# Altium PCB Pleiades_PP.PcbDoc (part 11 of 15)
Units mil, origin at the board's own origin, x right, y up, seen from the top; angles counter-clockwise.
Board outline 12244.09 x 4515.28 mil, 12 copper layers (TOP, GND1, IN1, GND2, POW1, GND3, POW2, GND4, GND5, IN2, GND6, BOT), stack 63.546 mil thick; 1447 components, 738 nets, 4532 pads, 3316 vias.
Unrouted connection lines stored in the file: 499.
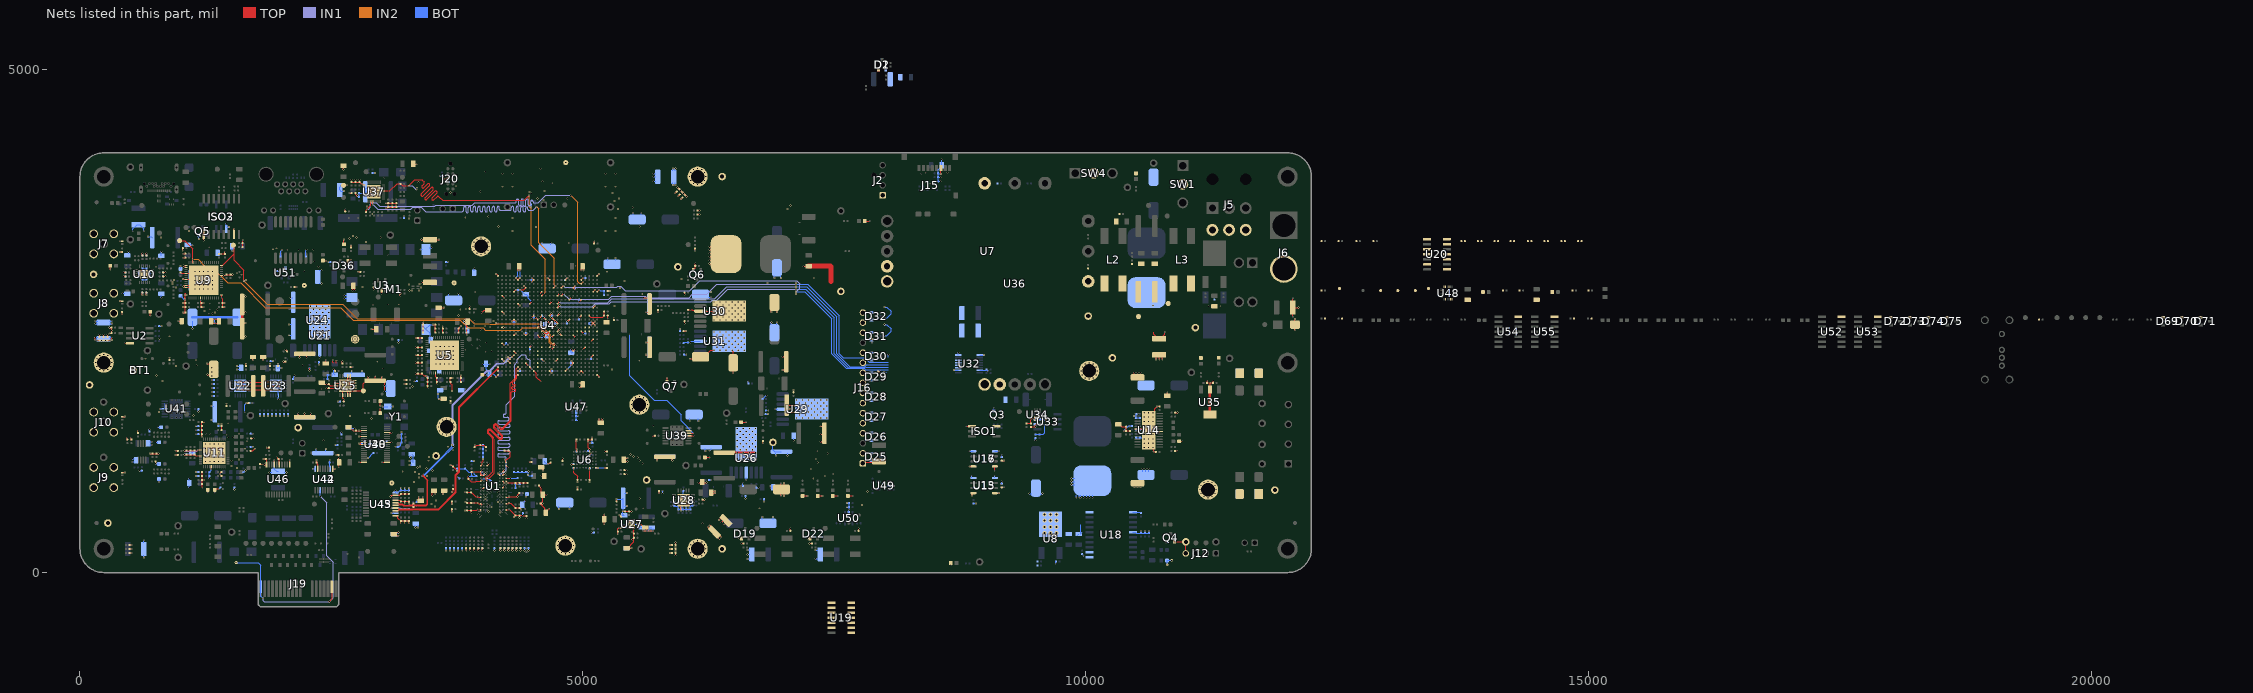
[diagram p21: the nets of this part, all layers, seen from the top]

## Via types
v1: diameter 12/18/18/18/18/18/18/18/18/18/18/12 (per signal layer), hole 6, TOP to BOT, 2739 vias
v2: diameter 20, hole 10, TOP to BOT, 363 vias
v3: diameter 19.68, hole 7.87, TOP to BOT, 110 vias
v4: diameter 40, hole 20, TOP to BOT, 36 vias
v5: diameter 25, hole 12, TOP to BOT, 32 vias
v6: diameter 22, hole 12, TOP to BOT, 27 vias
v7: diameter 19.68, hole 11.81, TOP to BOT, 9 vias

## Nets (pads, with @x,y where several pads share a name; then routed paths per layer and width w, separated by ;. In a path a pad name is that pad's centre, name@x,y a point inside that pad or via, vN(x,y) a via of type N, cw(c..) or ccw(c..) an arc to the next point about the centre after c; other vN are vias at no path point) (continued)
GND: (continued)
  BOT w10: v1(152.5,2475) C1.2@175,2475 ; v1(152.5,2500) C1.2@175,2500 ; C1.2@295,2475 v1(317.5,2475) ; C1.2@295,2500 v1(317.5,2500) ; v1(421.5,2776.57) C256.2@444,2776.57 ; v1(430,2945) C241.2@452.5,2945 ; v1(430,2985) C242.2@452.5,2985 ; C240.2@483,3167.5 v1(483,3190) ; v1(519.46,1100) C335.2@541.96,1100 ; v1(519.46,1132) C335.2@541.96,1132 ; v1(525,3394) 525,3416.28 567.72,3459 C501.2@580,3459 592.28,3459 635,3416.28 v1(635,3393.06) ; C245.2@582.5,2945 C246.2@582.5,2985 ; v1(592.5,1012.5) R120.2@615,1012.5 ; v1(620,2760) C258.2@620,2782.5 ; C262.2@620,2912.5 C261.2@660,2912.5 ; C253.2@620,3022.5 C252.2@660,3022.5 ; C248.2@620,3152.5 v1(620,3175) ; v1(636,149.29) C4.2@636,171.79 ; C4.2@636,298.2 v1(636,320.7) ; v1(660,2760) C257.2@660,2782.5 ; C249.2@660,3152.5 v1(660,3175) ; v1(675.81,3340) 708,3340 C282.2@718,3330 ; R127.2@690,1402.5 v1(690,1425) ; C304.2@692.21,1270 v1(714.71,1270) ; C304.2@692.21,1300 v1(714.71,1300) ; C268.2@697.5,2945 C269.2@697.5,2985 ; v1(752.5,1082.5) 752.88,1082.12 784.34,1082.12 R118.2@786.46,1080 ; v1(752.5,1295) R125.2@775,1295 ; v1(772.5,1445) R126.2@795,1445 ; v1(787,897.5) R119.2@787,920 ; C100.1@787.5,2450 v1(810,2450) ; v1(792.5,1627) U41.11@815,1627 ; v1(810,2732.5) C263.2@810,2755 ; C247.2@810,3148 v1(810,3190) ; C264.2@827.5,2945 v1(850,2945) ; C265.2@827.5,2985 v1(850,2985) ; U41.11@842.63,1627 842.63,1678.18 ; R94.2@1000,2751.46 1036.88,2714.58 1043.59,2714.58 v1(1043.98,2714.19) ; v1(1037.5,1172.5) 1038.04,1172.5 1047.04,1181.5 1103.5,1181.5 C308.2@1115,1193 ; v1(1037.5,1212.5) 1038.04,1212.5 1046.04,1204.5 1103.5,1204.5 C308.2@1115,1193 ; C284.2@1070,3258 1113.96,3258 1116.96,3255 v1(1117.5,3255) ; v1(1087,842.5) C323.2@1087,865 ; C323.2@1087,914.4 v1(1087,936.9) ; v1(1120,2427.5) C407.2@1120,2500 ; v3(1143.39,2818.39) 1120.02,2818.39 1103,2835.41 C270.2@1103,2878.72 ; v3(1143.39,2861.69) 1120.02,2861.69 C270.2@1103,2878.72 ; v3(1143.39,2905) C270.2@1103,2905 ; v3(1143.39,2948.31) 1120.02,2948.31 C270.2@1103,2931.28 ; v3(1143.39,2991.61) 1120.02,2991.61 1103,2974.59 C270.2@1103,2931.28 ; v1(1155,960) C329.2@1177.5,960 ; v1(1155,1000) C334.2@1177.5,1000 ; v1(1155,1375) C331.2@1177.5,1375 ; v1(1155,1415) C326.2@1177.5,1415 ; v1(1155,1455) C324.2@1177.5,1455 ; v1(1175.69,1219.53) 1175.15,1219.53 1162,1206.38 1128.38,1206.38 C308.2@1115,1193 ; v1(1177.5,1602.5) C531.2@1177.5,1625 ; v1(1182.13,3316.46) 1182.36,3316.69 1182.36,3355.39 Q5.2@1182.6,3355.63 ; v1(1287.5,937.5) C328.2@1287.5,960 C333.2@1287.5,1000 1305.47,1017.97 v1(1305.47,1030.69) ; v1(1307.5,1517.5) C392.2@1330,1517.5 ; v1(1307.5,1655) C392.2@1330,1655 ; v1(1310,1755.59) R211.2@1332.5,1755.59 ; v1(1310,1795) R209.2@1332.5,1795 ; v1(1310,1835) R205.2@1332.5,1835 ; v1(1310,1875) R203.2@1332.5,1875 ; v1(1310,1915) R201.2@1332.5,1915 ; v1(1310,1955) R199.2@1332.5,1955 ; v1(1310,1995.59) R194.2@1332.5,1995.59 ; v1(1310,2035.59) R192.2@1332.5,2035.59 ; 1340.99,2538.12 1339.88,2537.01 1339.88,2520.38 v1(1339.5,2520) 1339.5,2486.54 1345.5,2480.54 v1(1345.5,2480) ; C271.2@1368,3180 1380.5,3167.5 v1(1402.5,3167.5) ; C303.2@1377.5,1455 v1(1377.5,1477.5) ; v1(1379.09,831.59) C297.2@1395,847.5 ; ISO3.3@1455,3445 v1(1455,3467.5) ; ISO3.3@1460,3435 v1(1482.5,3435) ; U22.7@1500.51,1829.41 1541.85,1829.41 v6(1555.63,1815.63) ; v1(1515,3197.5) C495.2@1515,3220 ; v1(1535,825) C301.2@1535,847.5 ; v1(1562.5,2020.04) C399.2@1585,2020.04 ; v1(1562.5,2052.5) C399.2@1585,2052.5 ; C298.2@1625,997.5 1642.12,1014.62 1645.8,1014.62 v1(1646.18,1015) ; v1(1638.54,1594.38) 1638.54,1668.51 v1(1655,1684.96) 1655.08,1685.05 1687.6,1685.05 C393.2@1687.68,1685.13 ; C294.2@1697.5,1250 v1(1720,1250) ; C296.2@1697.5,1380 v1(1720,1380) ; v1(1790,1555) R193.2@1790,1577.5 ; v1(1830,1555) R195.2@1830,1577.5 ; v1(1870,1555) R200.2@1870,1577.5 ; v1(1882.5,995) C543.2@1905,995 ; C411.2@1895.99,2102.41 v1(1918.49,2102.41) ; v1(1910,1555) R202.2@1910,1577.5 ; v1(1931.61,1117.5) 1931.61,1028.36 1953.97,1006 C543.2@1970,1006 ; v1(1950,1555) R204.2@1950,1577.5 ; C618.2@1960,2997.5 v1(1982.5,2997.5) ; C402.2@1966.49,2032.41 1970,2035.92 v1(1970,2075) ; v1(1973.57,1722.5) U23.7@1973.57,1745 ; U23.7@1973.57,1761.74 1973.57,1803.08 v6(1987.35,1816.86) ; C402.2@1980,2035 v1(2002.5,2035) ; v1(1990,1555) R206.2@1990,1577.5 ; C505.2@1995,3143.46 1995,3193.96 2009.5,3208.46 v1(2009.5,3209) ; v1(2017.5,3025) U51.3@2040,3025 ; C543.2@2030,995 v1(2052.5,995) ; v1(2030,1555) R210.2@2030,1577.5 ; v1(2070,1555) R212.2@2070,1577.5 ; v1(2078.49,2360) C410.2@2100.99,2360 ; v1(2078.49,2467.41) C410.2@2100.99,2467.41 ; v1(2078.49,2622.53) C409.2@2100.99,2622.53 ; v1(2092.5,2732.88) C409.2@2115,2732.88 ; C397.2@2118.49,1924.91 2123.49,1929.91 2123.49,1947.07 2134.94,1958.52 v1(2134.94,1959.06) ; v1(2170,1582.5) 2170,1562.44 2187.02,1545.41 C396.2@2233.49,1545.41 ; v1(2233.49,1582.5) C396.2@2233.49,1545.41 ; C506.2@2245,3143.46 2245,3200.96 2252.5,3208.46 v1(2252.5,3209) ; v1(2283.49,2007.41) C398.2@2283.49,2029.91 ; v1(2293.49,1582.5) 2293.49,1562.44 2276.47,1545.41 C396.2@2233.49,1545.41 ; v1(2315,1031.3) U44.9@2337.5,1031.3 ; C425.2@2350,1205 v1(2350,1227.5) ; v1(2375.99,2068.91) R196.2@2375.99,2091.41 ; C502.2@2380,2875 v1(2402.5,2875) ; C502.2@2380,3005 v1(2402.5,3005) ; v1(2383.49,2137.5) U21.4@2383.49,2160 ; C425.2@2445,1205 v1(2445,1227.5) ; R197.2@2460.99,1922.41 2462.24,1923.66 2462.24,1963.66 R198.2@2463.49,1964.91 2463.6,1964.81 2492.4,1964.81 v1(2492.5,1964.7) C406.2@2515,1964.7 ; v1(2467.5,3087.5) C503.2@2490,3087.5 ; v1(2482.5,1117.5) C542.2@2482.5,1095 2484.62,1092.88 2484.62,1072.88 2485,1072.5 U44.15@2485,1050 ; v1(2521.59,2020.91) 2521.59,1978.31 C406.2@2533.49,1966.41 ; v1(2537.5,1267.5) R314.2@2560,1267.5 ; v1(2565,1700) R220.2@2587.5,1700 ; R313.2@2600,1372.5 v1(2600,1395) ; v1(2623.72,3792.72) 2593.28,3792.72 C504.2@2581,3805 2581,3831.16 2599.84,3850 v1(2655,3850) ; v1(2627.5,2725) M1.7@2650,2725 ; v1(2627.5,2755) M1.7@2650,2755 ; C405.2@2702.76,1982.41 v1(2702.76,2004.91) ; v1(2722.5,1412.5) 2722.12,1412.88 2711.7,1412.88 C530.2@2689.58,1435 ; v1(2730,1435) C530.2@2689.58,1435 ; v1(2759.09,3748.41) C519.2@2775,3732.5 C520.2@2775,3772.5 ; v1(2773.5,1283) 2811.62,1283 C529.2@2822.28,1293.67 ; C520.2@2780,3772.5 2825.5,3772.5 C515.2@2838,3785 ; C405.2@2805,1982.41 v1(2805,2004.91) ; v1(2864.28,1138.28) 2864.67,1138.66 2866.16,1138.66 C527.2@2917.5,1190 ; U38.2@2900.42,1273.98 2900.42,1270.42 2900.46,1270.38 2917.12,1270.38 v1(2917.5,1270) ; R307.2@2910,3972.5 v1(2932.5,3972.5) ; U37.42@2963.58,3742.72 U37.41@2921.46,3742.72 U37.40@2879.33,3742.72 2855.02,3742.72 2838,3759.74 C515.2@2838,3785 ; U37.39@2963.58,3784.84 U37.38@2921.46,3784.84 U37.37@2879.33,3784.84 2838.16,3784.84 C515.2@2838,3785 ; U37.36@2963.58,3826.97 2855.02,3826.97 2838,3809.94 C515.2@2838,3785 ; v1(3011.04,1650) Y1.3@3060,1650 ; v1(3027.5,1802.52) C414.2@3050,1802.52 ; v1(3028.13,1857.77) C414.2@3050.63,1857.77 ; C532.2@3050,1302.5 3057.5,1295 v1@3096.96,1295 ; Y1.3@3089.68,1650.92 v1(3112.18,1650.92) ; v1(3097.5,590.43) U45.19@3120,590.43 ; v1(3097.5,641.55) U45.17@3120,641.55 ; v1(3137.5,1250) C153.2@3160,1250 3161.64,1251.64 3176.64,1251.64 3190,1265 3190,1287.5 C155.2@3197.5,1295 C156.2@3197.5,1335 C157.2@3197.5,1375 v1(3197.5,1397.5) ; U45.17@3137.64,641.61 3180.89,641.61 C587.2@3190,632.5 C589.2@3230,632.5 C591.2@3270,632.5 ; v1(3137.64,817.66) U45.11@3137.64,795.16 3159.64,795.16 3181.98,817.5 C588.2@3190,817.5 ; v1(3167.5,365) 3167.12,365.38 3136.62,365.38 C601.2@3120,382 3135.81,397.81 3167.12,397.81 v1(3167.5,398.2) ; v1(3167.5,2287.5) C500.2@3167.5,2310 ; v1(3190,490) C598.2@3190,512.5 C599.2@3230,512.5 ; v1(3190,840) C588.2@3190,817.5 ; C510.2@3222.5,3525 v1(3222.5,3547.5) ; v1(3230,490) C599.2@3230,512.5 ; v1(3230,840) C590.2@3230,817.5 ; v1(3270,490) C600.2@3270,512.5 C599.2@3230,512.5 ; v1(3270,840) C592.2@3270,817.5 C590.2@3230,817.5 ; v1(3275,1110) 3297.5,1110 C152.2@3300,1107.5 ; v1(3277.5,1070) C152.2@3300,1070 ; v1(3285.98,1142.5) C154.2@3285.98,1165 ; C154.2@3300,1177 3311.5,1165.5 3311.5,1091.5 C152.2@3313,1090 ; v1(3327.5,1902.5) C178.2@3350,1902.5 ; v1(3335.5,448.5) C593.2@3335.5,471 ; R339.1@3347.5,700 v1(3347.5,722.5) ; v1(3361.01,448.5) C593.2@3361.01,471 ; v1(3382.5,3212.64) M1.14@3405,3212.64 ; v1(3412.5,2487.5) 3412.5,2444.82 M1.1@3439.96,2417.36 ; v1(3444.09,1953.41) C181.2@3460,1937.5 ; M1.14@3475,3230.99 v1(3497.5,3230.99) ; C179.2@3480,2203 3480.31,2203.31 v3(3538.39,2203.31) ; v1(3510,2465) 3480.24,2465 3439.96,2424.72 M1.1@3439.96,2417.36 ; C158.2@3559.69,1797.89 v1(3559.69,1775.39) 3559.69,1735.18 3569.3,1725.57 v1(3569.3,1725.02) ; C180.2@3573,2038.77 C180.2@3573,2010 3561.39,2021.61 3561.39,2050.38 v3(3538.39,2073.39) ; v1(3577.5,3942.5) C619.1@3600,3942.5 3621.96,3942.5 3624.46,3940 v1(3625,3940) ; v1(3640,220) C76.2@3640,242.5 ; C490.2@3640,3087.5 v1(3662.5,3087.5) ; C125.2@3665.63,2750 v1(3665.63,2772.5) ; v1(3680,220) C77.2@3680,242.5 ; v1(3720,220) C78.2@3720,242.5 ; v1(3750,1010) C38.2@3750,1032.5 C53.2@3830,1032.5 ; v1(3756.59,952.92) C52.2@3772.5,937.01 ; v1(3760,220) C70.2@3760,242.5 ; C125.2@3765,2750 v1(3765,2772.5) ; v1(3800,220) C92.2@3800,242.5 ; C160.2@3813.62,1826.99 v1(3836.12,1826.99) ; v1(3822.5,2505) v1(3822.5,2484.5) 3841.5,2465.5 3841.5,2421.5 C159.2@3853,2410 3845,2402 v1(3845,2362.5) ; v1(3840,220) C73.2@3840,242.5 ; v1(3880,220) C81.2@3880,242.5 ; C51.2@3895,957.5 C54.2@3895,997.5 ; C37.2@3895,1107.5 v1(3917.5,1107.5) ; v1(3920,220) C85.2@3920,242.5 ; C487.2@3920,3000 v1(3920,3022.5) ; v1(3960,220) C71.2@3960,242.5 ; v1(3999.51,2070) C116.2@4022.01,2070 ; v1(4000,220) C98.2@4000,242.5 ; v1(4007.5,1127.5) C41.2@4007.5,1150 C40.2@4007.5,1190 C7.2@4007.5,1230 C6.2@4007.5,1270 ; v1(4033.17,1966.46) 4063.46,1966.46 C144.2@4072,1975 4072,1985 4037,2020 C116.2@4037,2075 ; C57.2@4042.37,847.63 4049.45,847.63 4059.7,857.89 4062.61,857.89 v1(4062.99,858.27) ; C116.2@4054.7,2070 v1(4077.2,2070) ; v1(4120,220) C96.2@4120,242.5 ; v1(4180,220) C91.2@4180,242.5 ; v1(4220,220) C79.2@4220,242.5 ; C128.2@4237.2,2280 C128.2@4237.5,2280 4254.62,2262.88 4254.62,2260.38 v1(4255,2260) ; v1(4260,220) C69.2@4260,242.5 ; v1(4300,220) C75.2@4300,242.5 ; C14.2@4315,997.5 C13.2@4355,997.5 C63.2@4395,997.5 C62.2@4435,997.5 4440,1002.5 4457.13,1002.5 v1@4457.88,1003.25 ; C43.2@4332.5,840 C42.2@4332.5,880 C35.2@4372.5,880 ; v1(4334.65,2929.13) 4354.33,2948.82 v1(4354.33,3000) ; v1(4340,220) C95.2@4340,242.5 ; v1(4374.02,2929.13) 4374.02,2929.68 4378.24,2933.9 v1(4378.24,3000) ; v1(4380,220) C68.2@4380,242.5 ; v1(4402.5,567.5) C33.2@4402.5,590 ; C32.2@4410.14,650 v1(4426.05,634.09) ; C32.2@4410.97,697.5 v1(4426.88,713.41) ; v1(4420,220) C80.2@4420,242.5 ; v1(4433.65,754.57) 4434.04,754.95 4434.04,770.49 R13.1@4443.54,780 ; v1@4457.88,1004.68 v1@4457.88,1003.25 ; v1(4458.89,1003.72) 4458.35,1003.72 v1@4457.88,1003.25 ; v1(4460,220) C82.2@4460,242.5 ; v1(4485,3635) R53.2@4485,3657.5 ; C61.2@4495,962.5 4462.28,962.5 v1(4453.99,970.78) 4454.38,971.17 4454.38,978.59 4457.88,982.1 v1@4457.88,1003.25 ; C130.2@4592.5,3257.2 v1(4592.5,3279.7) ; C60.2@4623,1105 4623,1098.38 4639.96,1081.42 4654.43,1081.42 v1(4654.81,1081.03) ; C130.2@4680,3257.2 v1(4680,3279.7) ; v1(4761.33,632.9) C143.2@4761.33,655.4 ; v1(4867.44,631.04) C143.2@4867.44,653.54 ; C612.2@4932.5,1555 C612.2@4933.75,1555 ; U47.2@4935,1598.82 4933.75,1597.57 C612.2@4933.75,1555 ; v1(4955,1514.16) C611.2@4932.5,1514.16 4933.75,1515.41 C612.2@4933.75,1555 ; v1(4955,1555) C612.2@4933.75,1555 ; v1(5087.5,397.5) R332.1@5110,397.5 ; v1(5091.75,1344.74) 5091.75,1303.35 v1(5075.49,1287.09) C215.2@5097.99,1287.09 ; C210.2@5129.49,1039.74 v1(5151.76,1039.74) ; v1@5151.99,1043.5 5212.45,1043.5 5216.21,1039.74 v1(5216.75,1039.74) ; R60.2@5247.5,2800 v1(5270,2800) ; C138.2@5247.5,3105 v1(5247.5,3127.5) ; C464.2@5307.5,2510 v1(5307.5,2532.5) ; C138.2@5325,3105 v1(5325,3127.5) ; v1(5335.12,730.77) 5391.63,730.77 C453.2@5401,740.14 5401,612.54 5399.38,610.92 5399.38,610.54 v1@5399.92,610 ; v1(5364.21,571.68) C446.2@5407.21,571.68 ; v1(5399,610) 5399,579.89 C446.2@5407.21,571.68 ; C446.2@5410.12,568.77 C446.2@5407.21,571.68 ; C453.2@5415,660 v1(5437.5,660) ; C453.2@5415,790 v1(5437.5,790) ; C447.2@5435.12,242.77 v1(5482.62,242.77) ; C115.2@5500,3555 v1(5500,3577.5) ; v3(5507.76,480.77) 5542.12,480.77 5575.12,447.77 C443.2@5585.12,447.77 C443.2@5585.28,447.61 ; C115.2@5580,3555 v1(5580,3577.5) ; v1(5600,2732.72) 5651.41,2732.72 5660.98,2742.28 5678,2725.26 5678,2614.52 5650.98,2587.5 v1(5627.5,2587.5) ; v1(5627.5,2167.5) 5645.98,2167.5 5663,2184.52 C463.2@5663,2240 5663,2270.48 5645.98,2287.5 v1(5627.5,2287.5) ; C444.2@5661.77,436.22 v1(5661.77,413.72) ; C444.2@5685.12,447.45 5684.96,447.61 C443.2@5585.28,447.61 ; C444.2@5700.12,434.37 v1(5700.12,411.87) 5699.58,411.87 5697.72,413.72 v1(5661.77,413.72) ; v1(5702.5,3890) C2.2@5725,3890 ; v1(5702.5,3935) C2.2@5725,3935 ; v1(5702.5,3965) C2.2@5725,3965 ; v1(5737.95,1115) C451.2@5737.95,1137.5 ; v1(5757.5,787.64) 5757.5,810.14 ; v1(5792.5,787.64) 5792.5,810.14 ; v1(5890.69,1115) C451.2@5890.69,1137.5 ; C460.2@5967.5,2400 v1(5967.5,2422.5) ; R238.2@6000,812.64 6000.59,812.05 6000.59,760.61 v6(6001.18,760.02) ; R264.2@6002.5,2280 6003.04,2280 6010.54,2287.5 R259.2@6045,2287.5 v1(6067.5,2287.5) 6068.04,2287.5 6080.54,2300 U31.4@6167.4,2300 ; R265.2@6005,2167.5 v1(6027.5,2167.5) ; v1(6062,1505.44) C107.2@6062,1527.94 ; v1(6149.5,1505.44) C107.2@6149.5,1527.94 ; v1(6218.27,1207.5) C439.2@6218.27,1230 ; C461.2@6253.03,2737.5 v1(6275.53,2737.5) ; C461.2@6253.03,2790 v1(6275.53,2790) ; C440.2@6255,920.81 v1(6277.5,920.81) ; v1(6260,1210) 6274.94,1224.94 C439.2@6274.94,1230 ; C429.2@6590,860.81 v1(6590,892.5) ; v1(6617.5,737.5) R226.2@6617.5,760 ; v1(6625,920.14) U26.4@6625,942.64 ; v1(6637.5,135) C368.2@6660,135 ; v1(6637.5,180) C368.2@6660,180 ; v1(6637.5,225) C368.2@6660,225 ; C471.2@6645,1880 v1(6645,1902.5) ; R228.2@6725,843.31 v1(6747.5,843.31) ; C436.2@6785,530 v1(6785,552.5) ; C458.2@6787.5,1725 6819.62,1757.12 6824.41,1757.12 v1(6824.79,1757.5) ; v1(6802.5,707.31) R227.2@6802.5,729.81 ; R260.2@6817.5,1575 v1(6840,1575) ; R257.2@6820,1612.5 v1(6842.5,1612.5) ; v1(6862.5,843.31) C435.2@6885,843.31 ; v1(6862.5,860.81) C435.2@6885,860.81 ; C468.2@6875,2465 v1(6875,2487.5) ; TP91.1@6890,1295.14 6890,1219.83 6907.02,1202.81 C434.2@6975,1202.81 ; C436.2@6891,530 v1(6891,552.5) ; v1(6905,2929.44) C229.2@6905,2951.94 ; v1(6912.5,1625) U29.4@6935,1625 ; v1(6920,1162.5) C434.2@6920,1185 ; C468.2@6930,2465 v1(6930,2487.5) ; v1(6968.98,2929.44) C229.2@6968.98,2951.94 ; v1(7035,1162.5) C434.2@7035,1185 ; U29.4@7035.91,1625 v1(7058.41,1625) ; v1(7096,1312) C466.2@7096,1334.5 ; v1(7312.5,137.12) C374.2@7335,137.12 ; v1(7312.5,223.11) C374.2@7335,223.11 ; v1(7625.2,649.96) C617.2@7647.7,649.96 ; v1(7625.2,689.96) C616.2@7647.7,689.96 C617.2@7647.7,649.96 ; U50.2@7643.96,601.77 v1(7643.96,624.27) 7643.96,624.81 7647.7,628.55 C617.2@7647.7,649.96 ; v1(7858.98,2338.2) 7858.98,2321 7867.98,2312 D31.1@7871.54,2312 ; D25.1@7871.54,1112 v1(7871.54,1134.5) ; D26.1@7871.54,1312 v1(7871.54,1334.5) ; D27.1@7871.54,1512 v1(7871.54,1534.5) ; D28.1@7871.54,1712 v1(7871.54,1734.5) ; D29.1@7871.54,1912 v1(7871.54,1934.5) ; D30.1@7871.54,2112 v1(7871.54,2134.5) ; D32.1@7871.54,2512 v1(7871.54,2534.5) ; v1(7992.78,1992.5) 8015.28,1992.5 ; v1(7998.06,2355) 8021.28,2355 8064,2397.72 8064,2422.28 8021.28,2465 v1(7999,2465) ; v1(7998.06,2530) 8021.28,2530 8064,2572.72 8064,2597.28 8021.28,2640 v1(7999,2640) ; 8038.7,2142.5 v1(8038.7,2165) ; U49.2@8043.18,864.68 8044.27,863.59 C614.2@8089.27,863.59 ; v1(8555,3890) C371.2@8532.5,3890 C372.2@8532.5,3930.45 ; v1(8555,3930.45) C372.2@8532.5,3930.45 ; v1(8560.24,3963.48) 8559.7,3963.48 8557.5,3965.68 8536.82,3965.68 C373.2@8532.5,3970 ; v1(8568,4106.87) C370.2@8568,4050 8568,4040 8532.5,4004.5 C373.2@8532.5,3970 ; v1(8691.2,2012.5) U32.2@8733.7,2012.5 ; U32.8@8733.7,2162.5 v1(8733.7,2185) ; v1(8841.2,1205) U17.4@8883.7,1205 ; U13.4@8867.4,940.31 v1(8867.4,962.81) ; C613.2@8885,687.5 v1(8907.5,687.5) ; v1(9702.5,87.5) C232.2@9702.5,110 ; C363.2@9916.96,369.96 C363.2@9930,383 C363.2@9933.04,383 ; C363.2@9948.04,383 C363.2@9948.54,383.51 ; C363.2@9948.54,383 C363.2@9948.54,383.51 ; 9948.54,477.5 C363.2@9948.54,383.51 ; C367.2@9965,182.5 v1(9980.91,166.59) ; 9965,399.96 C363.2@9948.54,383.51 ; C270.2@1103,2878.72 C270.2@1103,2905 ; C270.2@1103,2905 C270.2@1103,2931.28 ; C530.2@2689.58,1435 2679.58,1435 C530.2@2669.49,1445.09 2679.49,1445.09 C530.2@2689.58,1435 ; C588.2@3190,817.5 C590.2@3230,817.5 ; M1.1@3439.96,2417.36 3480.24,2377.09 3480.24,2317.76 C162.2@3488,2310 3488,2300 3536.53,2251.47 3536.53,2248.47 v3(3538.39,2246.61) ; v3(3538.39,2073.39) v3(3581.69,2073.39) ; v3(3538.39,2073.39) v3(3538.39,2116.69) ; v3(3538.39,2116.69) v3(3581.69,2116.69) ; v3(3538.39,2116.69) v3(3538.39,2160) ; v3(3538.39,2160) v3(3581.69,2160) ; v3(3538.39,2160) v3(3538.39,2203.31) ; v3(3538.39,2203.31) v3(3581.69,2203.31) ; v3(3538.39,2203.31) v3(3538.39,2246.61) ; v3(3538.39,2246.61) v3(3581.69,2246.61) ; v3(3581.69,2073.39) v3(3581.69,2116.69) ; v3(3581.69,2073.39) v3(3625,2073.39) ; v3(3581.69,2116.69) v3(3581.69,2160) ; v3(3581.69,2116.69) v3(3625,2116.69) ; v3(3581.69,2160) v3(3581.69,2203.31) ; v3(3581.69,2160) v3(3625,2160) ; v3(3581.69,2203.31) v3(3581.69,2246.61) ; v3(3581.69,2203.31) v3(3625,2203.31) ; v3(3581.69,2246.61) v3(3625,2246.61) ; v3(3625,2073.39) v3(3625,2116.69) ; v3(3625,2073.39) v3(3668.31,2073.39) ; v3(3625,2116.69) v3(3625,2160) ; v3(3625,2116.69) v3(3668.31,2116.69) ; v3(3625,2160) v3(3625,2203.31) ; v3(3625,2160) v3(3668.31,2160) ; v3(3625,2203.31) v3(3625,2246.61) ; v3(3625,2203.31) v3(3668.31,2203.31) ; v3(3625,2246.61) v3(3668.31,2246.61) ; v3(3668.31,2073.39) v3(3668.31,2116.69) ; v3(3668.31,2073.39) v3(3711.61,2073.39) v3(3711.61,2116.69) ; v3(3668.31,2116.69) v3(3668.31,2160) ; v3(3668.31,2116.69) v3(3711.61,2116.69) ; v3(3668.31,2160) v3(3668.31,2203.31) ; v3(3668.31,2160) v3(3711.61,2160) ; v3(3668.31,2203.31) v3(3668.31,2246.61) ; v3(3668.31,2203.31) v3(3711.61,2203.31) ; v3(3668.31,2246.61) v3(3711.61,2246.61) v3(3711.61,2203.31) ; v3(3711.61,2116.69) v3(3711.61,2160) ; v3(3711.61,2160) v3(3711.61,2203.31) ; C443.2@5585.28,447.61 5600,432.89 v1(5600,413.72) v1(5661.77,413.72) ; v6(5961.81,681.28) v6(6001.18,681.28) ; v6(5961.81,681.28) v6(5961.81,720.65) ; v6(5961.81,681.28) 5940.67,660.14 R239.2@5910,660.14 R240.2@5910,700.14 5941.3,700.14 v6(5961.81,720.65) ; v6(5961.81,681.28) 5961.81,678.03 5950,666.22 R237.2@5950,627.64 R236.2@5990,627.64 ; v6(5961.81,720.65) v6(6001.18,720.65) ; v6(5961.81,720.65) v6(5961.81,760.02) v6(6001.18,760.02) ; R236.2@5990,627.64 R235.2@6030,627.64 ; R236.2@5990,627.64 5990,666.85 6001.18,678.03 v6(6001.18,681.28) ; v6(6001.18,681.28) v6(6001.18,720.65) ; v6(6001.18,681.28) v6(6040.55,681.28) ; v6(6001.18,720.65) v6(6001.18,760.02) ; v6(6001.18,720.65) v6(6040.55,720.65) ; v6(6001.18,760.02) v6(6040.55,760.02) v6(6040.55,720.65) ; R235.2@6030,627.64 R234.2@6070,627.64 6070,651.83 v6(6040.55,681.28) ; R235.2@6030,627.64 6030,667.48 6040.55,678.03 v6(6040.55,681.28) ; v6(6040.55,681.28) 6043.8,681.28 6059.94,665.14 R233.2@6092.5,665.14 R232.2@6092.5,705.14 6059.31,705.14 6043.8,720.65 v6(6040.55,720.65) ; v6(6040.55,681.28) v6(6040.55,720.65) ; C372.2@8532.5,3930.45 C373.2@8532.5,3970
  BOT w25: C407.2@1118.49,2538.12 1340.99,2538.12 C408.2@1563.49,2538.12
  other v1: 6190,490 3961.98,579.27 4175.08,595.68 4062.99,606.3 5600,640 6755,640 4095,650 3530,655 4062.99,669.29 7775,670 3495,680 4157.48,700.79 4188.98,700.79 3540,715 4031.5,732.28 5565,735 3087.32,754.68 4031.63,763.92 4188.98,763.78 4159.61,797.4 7830,805 3100,890 3320,900 7290,935 3370,945 3450,960 7404.57,960.18 3370,980 7490,980 3330,1000 3210,1005 3505,1015 7265,1030 3445,1035 1560.26,1038.05 3355,1045 3380,1055 1507.87,1060 5595,1085 7335,1095 1507.87,1111.24 3464.68,1110.76 5565,1115 1580,1125 7315,1130 5545,1145 3470,1150 5505,1155 5475,1175 7435,1185 7330,1205 3710,1215 1640,1230 3660,1250 1660,1305 2420,1315 3140,1330 1475,1345 1518.06,1345 1460,1370 1255,1375 1295,1375 1580,1380 5700,1460 1475,1485 2900,1530 2685,1555 1130,1560 785,1595 2400,1825 3305,1850 820,1905 760,1960 5290,2020 3015,2030 955,2055 1160,2060 2215,2060 2955,2095 5560,2105 1155,2110 650,2125 4235,2140 4035,2195 4094.33,2199.33 3830,2215 3975,2250 3895,2260 4040,2285 2735,2291.72 2715,2300 2755,2300 3975,2310 2710,2320 2735,2320 2760,2320 790,2325 2715,2340 2755,2340 2735,2348.28 890,2350 315,2405 3985,2415 4080,2440 3920,2450 4030,2450 4135,2480 3920,2495 4110,2500 3765,2555 1280,2572.41 1315,2575 1341.49,2585 1237.2,2600.98 1365,2615 3780,2615 1290.54,2618.67 3835,2620 3935,2620 5315,2650 2912.5,2662.5 3060,2665 3170,2665 1289.91,2671.62 5590,2770 7120,2770 3930,2790 3275,2805 3300,2805 3370,2805 5370,2830 955,2835 3390,2835 2810,2840 2230,2855 3270,2865 920,2870 3375,2870 3720,2880 6835,2880 7120,2885 920,2890 5415,2900 935,2910 1650,2910 5980,2920 7295,2930 1605,2960 1560,2975 2135,2975 5240,2990 2230,2995 2585,3015 755.79,3040 2370,3040 4930,3050 2330,3095 3060,3160 2060,3210 2175,3210 2320,3210 1920,3215 1955,3225 1285,3235 4860,3275 2845,3285 2680,3320 805,3330 2750,3330 2990,3330 2715,3345 1085,3395 4300,3395 5225,3395 5325,3395 4535,3435 4160,3440 5565,3440 3270,3520 4300,3525 5325,3525 3830,3530 4060,3540 2905,3565 5350,3615 7035,3615 5496.55,3628.65 2855,3640 7065,3650 5315,3695 4610,3705 4550,3720 4845,3720 5360,3720 4486.93,3770.28 5295,3775 3685,3780 4470,3785 3980,3790 4620,3795 3350,3825 4200,3835 4300,3835 5225,3835 5325,3835 3740,3840 8455,3865 4695,3870 3365,3880 3625,3890 3740,3890 4600,3890 3025,3925 3740,3940 4200,3965 4300,3965 5225,3965 5325,3965 8365,3965 8410,3975 8625,3975 4030,3985 4580,4015 4830,4075